# KiCad board Smoothie2Standard.kicad_pcb (continued)
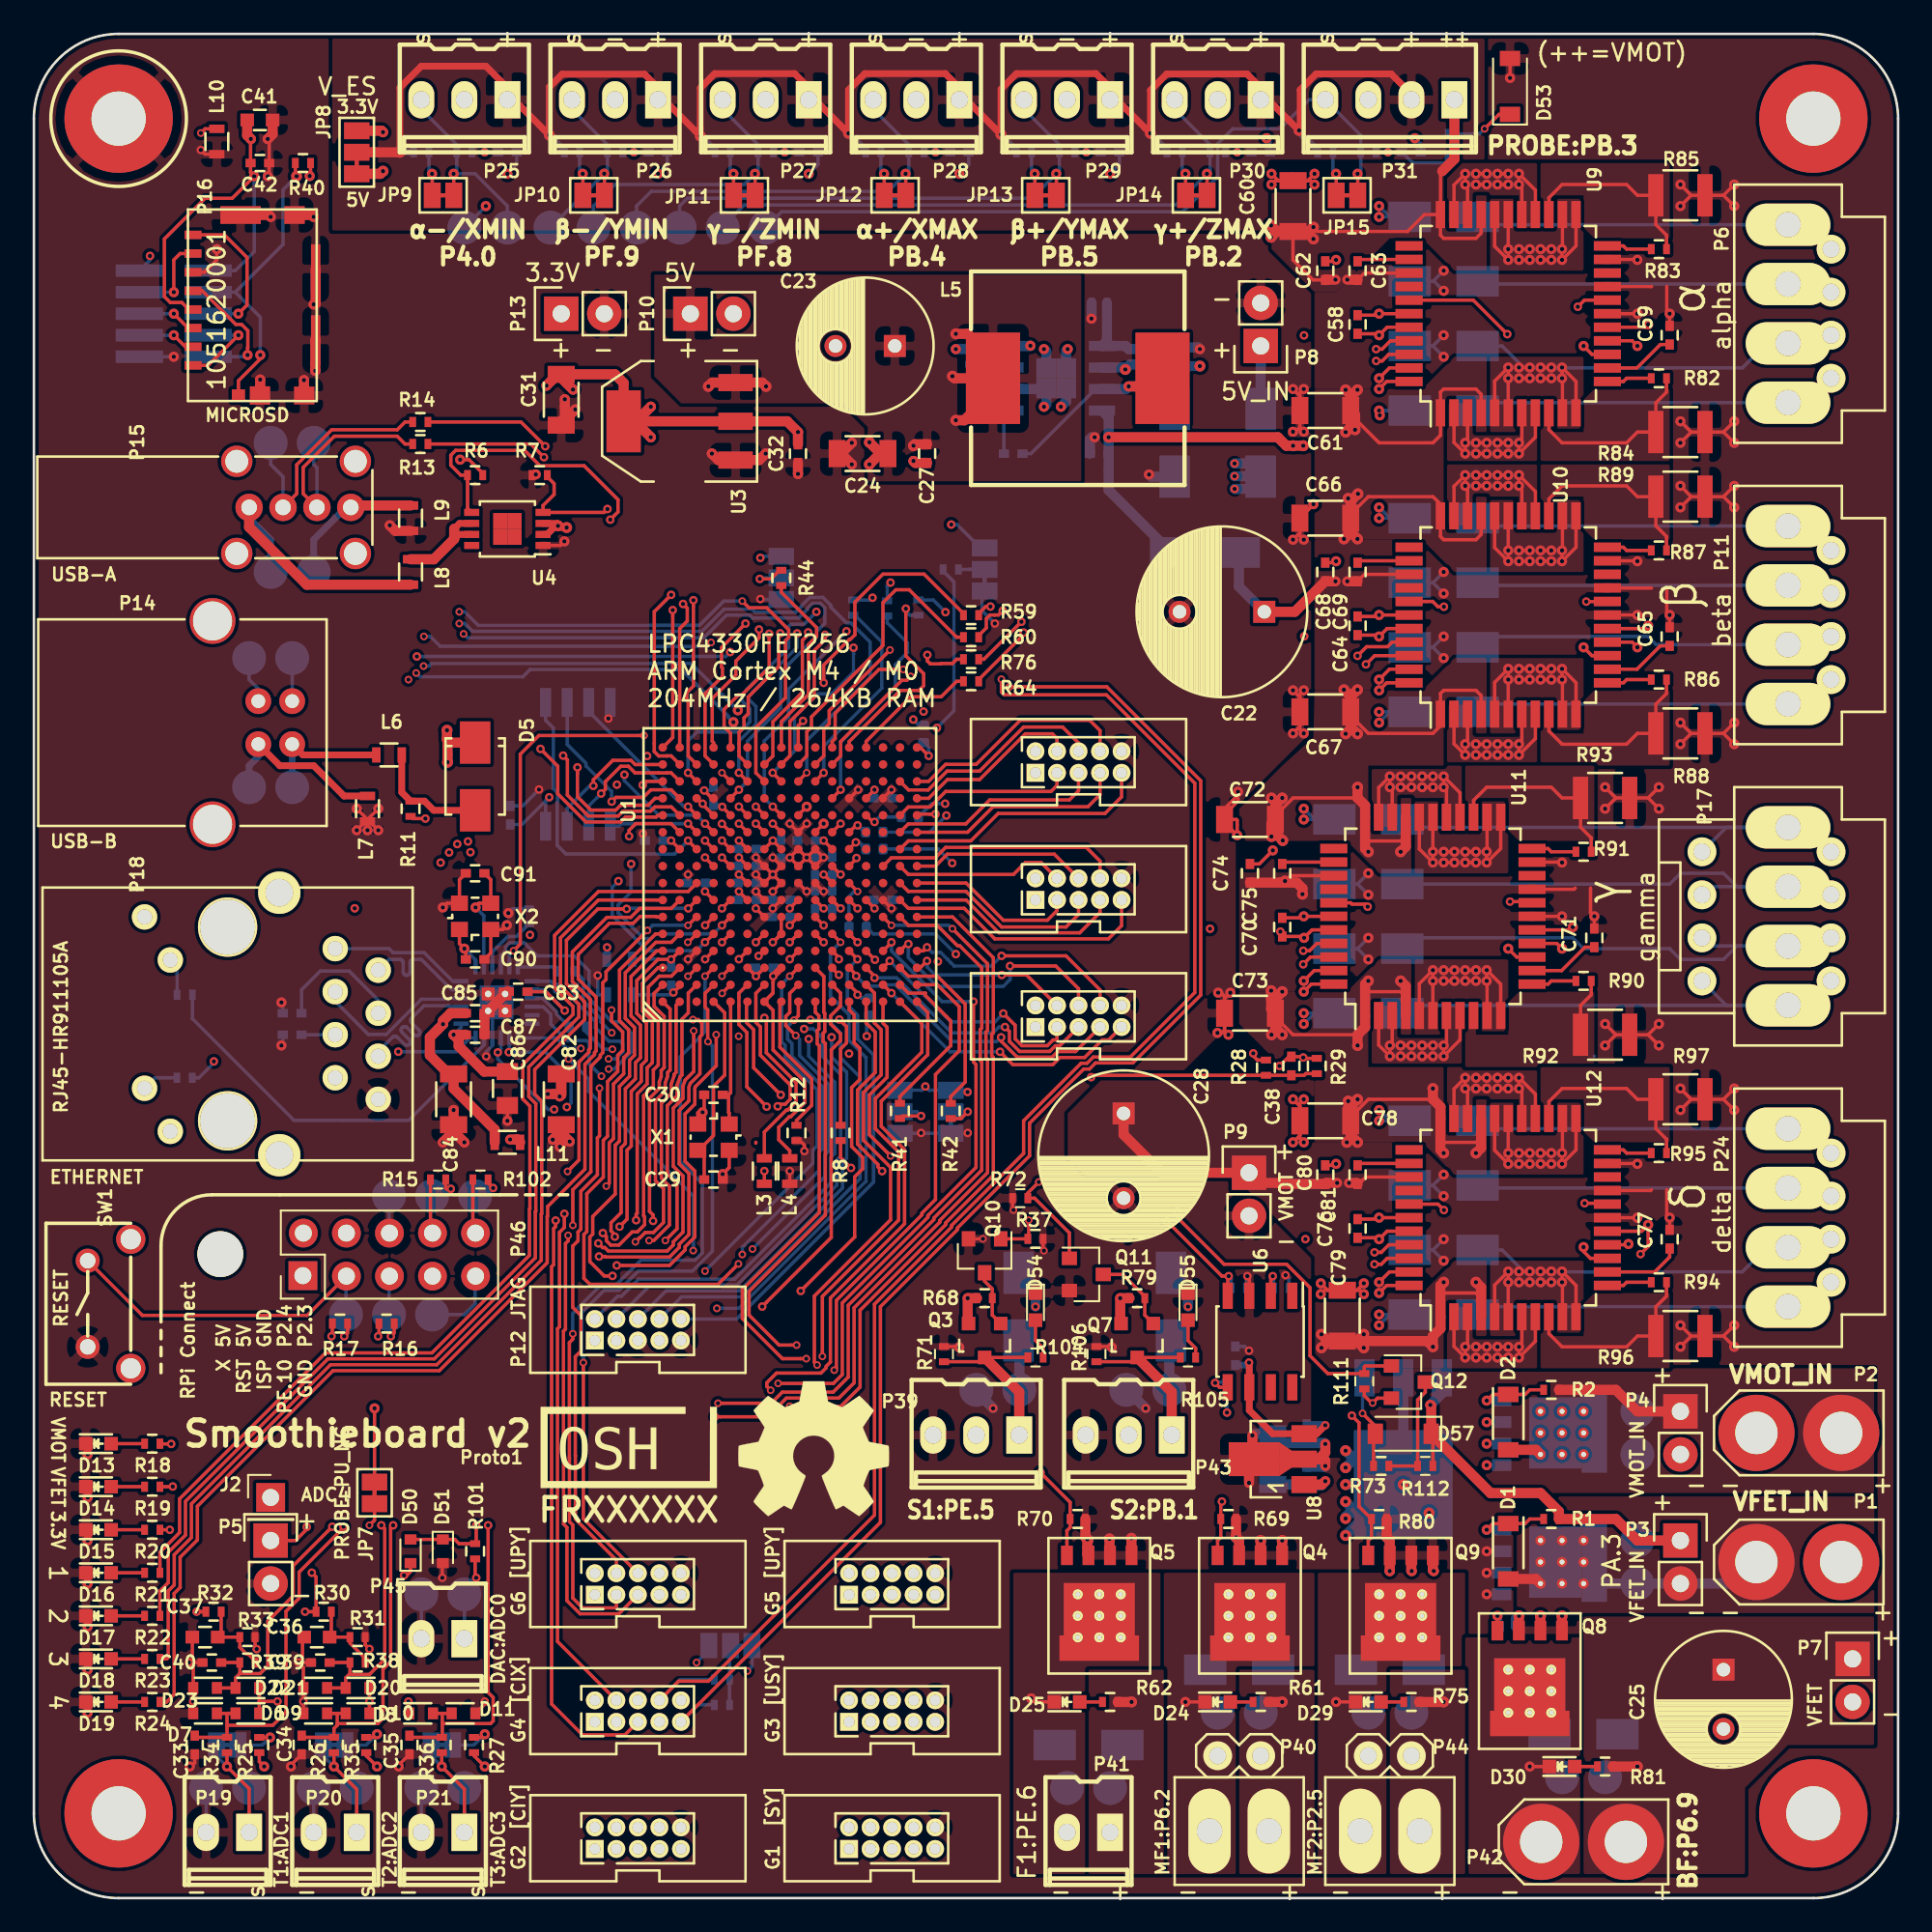
[diagram p0: board, top side]
## Placement (name value [footprint] x y rotation side) (continued)
W45  OSHW_CERT  [OSHW_Dual_0.25_Scale]  35.1 26.9 0 top
W46  OSHW_LOGO  [OSHW-Symbol_13.4x12mm_SilkScreen]  46.6 36.4 180 bottom
W47  T_BED  [TP]  90.17 7.13 0 bottom
W48  T_VBB_BED  [TP]  92.71 7.13 0 bottom
W49  OSHW_CERT  [OSHW_Dual_0.25_Scale]  31.6 87.4 180 bottom
W50  T_SSR2  [TP]  67 29.99 0 bottom
W51  T_GND_SSR2  [TP]  64.46 29.99 0 bottom
W52  T_VFET_HOTEND2  [TP]  81.28 10.94 0 bottom
W53  T_HOTEND2  [TP]  78.74 10.94 0 bottom
W54  T_DAC  [TP]  25.4 17.93 0 bottom
W55  T_GND_DAC  [TP]  22.86 17.93 0 bottom
X1  12MHz  [Crystal_SMD_2520_4Pads]  40.1 44.9 180 top
X2  25MHz  [Crystal_SMD_2520_4Pads]  26.04 57.93 0 top

## Footprints (pads in the part's own frame, mm; a bottom-side part is the same pattern mirrored in y, then rotated)
BGA-256
  round 0.5 smd: A1(-7.501,7.501) A2(-6.5,7.501) A3(-5.499,7.501) A4(-4.501,7.501) A5(-3.5,7.501) A6(-2.499,7.501) A7(-1.501,7.501) A8(-0.5,7.501) A9(0.5,7.501) A10(1.501,7.501) A11(2.499,7.501) A12(3.5,7.501) A13(4.501,7.501) A14(5.499,7.501) A15(6.5,7.501) A16(7.501,7.501) B1(-7.501,6.5) B2(-6.5,6.5) B3(-5.499,6.5) B4(-4.501,6.5) B5(-3.5,6.5) B6(-2.499,6.5) B7(-1.501,6.5) B8(-0.5,6.5) B9(0.5,6.5) B10(1.501,6.5) B11(2.499,6.5) B12(3.5,6.5) B13(4.501,6.5) B14(5.499,6.5) B15(6.5,6.5) B16(7.501,6.5) C1(-7.501,5.499) C2(-6.5,5.499) C3(-5.499,5.499) C4(-4.501,5.499) C5(-3.5,5.499) C6(-2.499,5.499) C7(-1.501,5.499) C8(-0.5,5.499) C9(0.5,5.499) C10(1.501,5.499) C11(2.499,5.499) C12(3.5,5.499) C13(4.501,5.499) C14(5.499,5.499) C15(6.5,5.499) C16(7.501,5.499) D1(-7.501,4.501) D2(-6.5,4.501) D3(-5.499,4.501) D4(-4.501,4.501) D5(-3.5,4.501) D6(-2.499,4.501) D7(-1.501,4.501) D8(-0.5,4.501) D9(0.5,4.501) D10(1.501,4.501) D11(2.499,4.501) D12(3.5,4.501) D13(4.501,4.501) D14(5.499,4.501) D15(6.5,4.501) D16(7.501,4.501) E1(-7.501,3.5) E2(-6.5,3.5) E3(-5.499,3.5) E4(-4.501,3.5) E5(-3.5,3.5) E6(-2.499,3.5) E7(-1.501,3.5) E8(-0.5,3.5) E9(0.5,3.5) E10(1.501,3.5) E11(2.499,3.5) E12(3.5,3.5) E13(4.501,3.5) E14(5.499,3.5) E15(6.5,3.5) E16(7.501,3.5) F1(-7.501,2.499) F2(-6.5,2.499) F3(-5.499,2.499) F4(-4.501,2.499) F5(-3.5,2.499) F6(-2.499,2.499) F7(-1.501,2.499) F8(-0.5,2.499) F9(0.5,2.499) F10(1.501,2.499) F11(2.499,2.499) F12(3.5,2.499) F13(4.501,2.499) F14(5.499,2.499) F15(6.5,2.499) F16(7.501,2.499) G1(-7.501,1.501) G2(-6.5,1.501) G3(-5.499,1.501) G4(-4.501,1.501) G5(-3.5,1.501) G6(-2.499,1.501) G7(-1.501,1.501) G8(-0.5,1.501) G9(0.5,1.501) G10(1.501,1.501) G11(2.499,1.501) G12(3.5,1.501) G13(4.501,1.501) G14(5.499,1.501) G15(6.5,1.501) G16(7.501,1.501) H1(-7.501,0.5) H2(-6.5,0.5) H3(-5.499,0.5) H4(-4.501,0.5) H5(-3.5,0.5) H6(-2.499,0.5) H7(-1.501,0.5) H8(-0.5,0.5) H9(0.5,0.5) H10(1.501,0.5) H11(2.499,0.5) H12(3.5,0.5) H13(4.501,0.5) H14(5.499,0.5) H15(6.5,0.5) H16(7.501,0.5) J1(-7.501,-0.5) J2(-6.5,-0.5) J3(-5.499,-0.5) J4(-4.501,-0.5) J5(-3.5,-0.5) J6(-2.499,-0.5) J7(-1.501,-0.5) J8(-0.5,-0.5) J9(0.5,-0.5) J10(1.501,-0.5) J11(2.499,-0.5) J12(3.5,-0.5) J13(4.501,-0.5) J14(5.499,-0.5) J15(6.5,-0.5) J16(7.501,-0.5) K1(-7.501,-1.501) K2(-6.5,-1.501) K3(-5.499,-1.501) K4(-4.501,-1.501) K5(-3.5,-1.501) K6(-2.499,-1.501) K7(-1.501,-1.501) K8(-0.5,-1.501) K9(0.5,-1.501) K10(1.501,-1.501) K11(2.499,-1.501) K12(3.5,-1.501) K13(4.501,-1.501) K14(5.499,-1.501) K15(6.5,-1.501) K16(7.501,-1.501) L1(-7.501,-2.499) L2(-6.5,-2.499) L3(-5.499,-2.499) L4(-4.501,-2.499) L5(-3.5,-2.499) L6(-2.499,-2.499) L7(-1.501,-2.499) L8(-0.5,-2.499) L9(0.5,-2.499) L10(1.501,-2.499) L11(2.499,-2.499) L12(3.5,-2.499) L13(4.501,-2.499) L14(5.499,-2.499) L15(6.5,-2.499) L16(7.501,-2.499) M1(-7.501,-3.5) M2(-6.5,-3.5) M3(-5.499,-3.5) M4(-4.501,-3.5) M5(-3.5,-3.5) M6(-2.499,-3.5) M7(-1.501,-3.5) M8(-0.5,-3.5) M9(0.5,-3.5) M10(1.501,-3.5) M11(2.499,-3.5) M12(3.5,-3.5) M13(4.501,-3.5) M14(5.499,-3.5) M15(6.5,-3.5) M16(7.501,-3.5) N1(-7.501,-4.501) N2(-6.5,-4.501) N3(-5.499,-4.501) N4(-4.501,-4.501) N5(-3.5,-4.501) N6(-2.499,-4.501) N7(-1.501,-4.501) N8(-0.5,-4.501) N9(0.5,-4.501) N10(1.501,-4.501) N11(2.499,-4.501) N12(3.5,-4.501) N13(4.501,-4.501) N14(5.499,-4.501) N15(6.5,-4.501) N16(7.501,-4.501) P1(-7.501,-5.499) P2(-6.5,-5.499) P3(-5.499,-5.499) P4(-4.501,-5.499) P5(-3.5,-5.499) P6(-2.499,-5.499) P7(-1.501,-5.499) P8(-0.5,-5.499) P9(0.5,-5.499) P10(1.501,-5.499) P11(2.499,-5.499) P12(3.5,-5.499) P13(4.501,-5.499) P14(5.499,-5.499) P15(6.5,-5.499) P16(7.501,-5.499) R1(-7.501,-6.5) R2(-6.5,-6.5) R3(-5.499,-6.5) R4(-4.501,-6.5) R5(-3.5,-6.5) R6(-2.499,-6.5) R7(-1.501,-6.5) R8(-0.5,-6.5) R9(0.5,-6.5) R10(1.501,-6.5) R11(2.499,-6.5) R12(3.5,-6.5) R13(4.501,-6.5) R14(5.499,-6.5) R15(6.5,-6.5) R16(7.501,-6.5) T1(-7.501,-7.501) T2(-6.5,-7.501) T3(-5.499,-7.501) T4(-4.501,-7.501) T5(-3.5,-7.501) T6(-2.499,-7.501) T7(-1.501,-7.501) T8(-0.5,-7.501) T9(0.5,-7.501) T10(1.501,-7.501) T11(2.499,-7.501) T12(3.5,-7.501) T13(4.501,-7.501) T14(5.499,-7.501) T15(6.5,-7.501) T16(7.501,-7.501)
C_0402
  rect 0.6x0.5 smd: 1(-0.55,0) 2(0.55,0)
C_0603
  rect 0.8x0.75 smd: 1(-0.75,0) 2(0.75,0)
C_0805
  rect 1x1.25 smd: 1(-1,0) 2(1,0)
C_1206
  rect 1x1.6 smd: 1(-1.5,0) 2(1.5,0)
C_Radial_D8_L11.5_P3.5
  rect 1.3x1.3 hole 0.8: 1(0,0)
  round 1.3 hole 0.8: 2(3.5,0)
C_Radial_D10_L16_P5
  rect 1.3x1.3 hole 0.8: 1(0,0)
  round 1.3 hole 0.8: 2(5,0)
CONN_MOTOR
  oval 2.5x5 hole 1.5: 1(-5.25,2.54) 2(-1.75,2.54) 3(1.75,2.54) 4(5.25,2.54)
  round 1.7 hole 1: 1(-3.81,0) 2(-1.27,0) 3(1.27,0) 4(3.81,0)
CONN_MOTOR2
  oval 2.5x5 hole 1.5: 1(-5.25,2.54) 2(-1.75,2.54) 3(1.75,2.54) 4(5.25,2.54)
  round 1.7 hole 1: 1(-3.81,7.62) 1(-3.81,0) 2(-1.27,7.62) 2(-1.27,0) 3(1.27,7.62) 3(1.27,0) 4(3.81,7.62) 4(3.81,0)
CONN_SFET
  oval 2.5x5 hole 1.5: 1(-1.75,4.445) 2(1.75,4.445)
  round 1.7 hole 1: 1(-1.27,0) 2(1.27,0)
Crystal_SMD_2520_4Pads
  rect 1x0.9 smd: 1(-0.925,-0.775) 2(0.925,0.775) 3(-0.925,0.775) 3(0.925,-0.775)
D_SOD-123
  rect 0.9x1.2 smd: 1(-1.65,0) 2(1.65,0)
D_SOD-523
  rect 0.6x0.7 smd: 1(-0.7,0) 2(0.7,0)
ftsh-105-01-l-dv
  rect 0.74x2.79 smd: 1(-2.54,-2.032) 2(-2.54,2.032) 3(-1.27,-2.032) 4(-1.27,2.032) 5(0,-2.032) 6(0,2.032) 7(1.27,-2.032) 8(1.27,2.032) 9(2.54,-2.032) 10(2.54,2.032)
Inductor_12.5x12.5mm_SRR1280
  rect 3.2x5.4 smd: 1(-5.001,0) 2(5.001,0)
kk100_22-23-2021
  rect 1.524x2.197 hole 1.016: 1(-1.27,0.076)
  oval 1.524x2.197 hole 1.016: 2(1.27,0.076)
kk100_22-23-2031
  rect 1.524x2.197 hole 1.016: 1(-2.54,0.076)
  oval 1.524x2.197 hole 1.016: 2(0,0.076) 3(2.54,0.076)
kk100_22-23-2041
  rect 1.524x2.197 hole 1.016: 1(-3.81,0.076)
  oval 1.524x2.197 hole 1.016: 2(-1.27,0.076) 3(1.27,0.076) 4(3.81,0.076)
LED_0603
  rect 0.798x0.798 smd: 1(-0.749,0) 2(0.749,0)
LED_0603#2
  rect 0.8x0.8 smd: 1(-0.8,0) 2(0.8,0)
LQFP-44_10x10mm_Pitch0.8mm
  rect 1.6x0.56 smd: 1(-5.85,4) 2(-5.85,3.2) 3(-5.85,2.4) 4(-5.85,1.6) 5(-5.85,0.8) 6(-5.85,0) 7(-5.85,-0.8) 8(-5.85,-1.6) 9(-5.85,-2.4) 10(-5.85,-3.2) 11(-5.85,-4) 23(5.85,-4) 24(5.85,-3.2) 25(5.85,-2.4) 26(5.85,-1.6) 27(5.85,-0.8) 28(5.85,0) 29(5.85,0.8) 30(5.85,1.6) 31(5.85,2.4) 32(5.85,3.2) 33(5.85,4)
  rect 0.56x1.6 smd: 12(-4,-5.85) 13(-3.2,-5.85) 14(-2.4,-5.85) 15(-1.6,-5.85) 16(-0.8,-5.85) 17(0,-5.85) 18(0.8,-5.85) 19(1.6,-5.85) 20(2.4,-5.85) 21(3.2,-5.85) 22(4,-5.85) 34(4,5.85) 35(3.2,5.85) 36(2.4,5.85) 37(1.6,5.85) 38(0.8,5.85) 39(0,5.85) 40(-0.8,5.85) 41(-1.6,5.85) 42(-2.4,5.85) 43(-3.2,5.85) 44(-4,5.85)
MICROSD-1051620001
  rect 0.5x1 smd: 1(9.4,0.5) 2(8.3,0.5) 3(7.2,0.5) 4(6.1,0.5) 5(5,0.5) 6(3.9,0.5) 7(2.8,0.5) 8(1.7,0.5)
  rect 0.72x0.78 smd: 9(11.175,3.18)
  rect 1.08x1.2 smd: G1(11.175,4.45)
  rect 1.05x1.2 smd: G2(11.175,7.06) G3(0.525,6.49)
  rect 1.05x2.39 smd: G4(0.525,3.305)
  rect 2.91x0.55 smd: G5(7.895,7.735) G6(3.705,7.735)
MountingHole_2.7mm_M2.5
  round 2.7 hole 2.7 unplated: (0,0)
MountingHole_3.2mm_M3_Pad
  round 6.4 hole 3.2: 1(0,0)
MSOP-8-1EP_3x3mm_Pitch0.65mm
  rect 0.89x0.42 smd: 1(-2.105,0.975) 2(-2.105,0.325) 3(-2.105,-0.325) 4(-2.105,-0.975) 5(2.105,-0.975) 6(2.105,-0.325) 7(2.105,0.325) 8(2.105,0.975)
  rect 0.84x0.94 smd: 9(-0.42,0.47) 9(-0.42,-0.47) 9(0.42,0.47) 9(0.42,-0.47)
Pin_Header_Straight_1x01_Pitch2.54mm
  rect 1.7x1.7 hole 1: 1(0,0)
Pin_Header_Straight_1x02
  rect 2.032x2.032 hole 1.016: 1(0,0)
  oval 2.032x2.032 hole 1.016: 2(0,-2.54)
Pin_Header_Straight_2x05_Pitch1.27mm_Shrouded
  rect 1.05x1.05 hole 0.65: 1(0,0)
  round 1.05 hole 0.65: 2(1.27,0) 3(0,-1.27) 4(1.27,-1.27) 5(0,-2.54) 6(1.27,-2.54) 7(0,-3.81) 8(1.27,-3.81) 9(0,-5.08) 10(1.27,-5.08)
Pin_Header_Straight_2x05_Pitch2.54mm
  rect 1.7x1.7 hole 1: 1(0.03,0.03)
  oval 1.7x1.7 hole 1: 2(2.54,0) 3(0,-2.54) 4(2.54,-2.54) 5(0,-5.08) 6(2.54,-5.08) 7(0,-7.62) 8(2.54,-7.62) 9(0,-10.16) 10(2.54,-10.16)
QFN24_4x4mm_0.5mmPitch
  rect 0.889x0.254 smd: 1(-2.095,1.252) 2(-2.095,0.752) 3(-2.095,0.251) 4(-2.095,-0.249) 5(-2.095,-0.749) 6(-2.095,-1.25) 13(2.095,-1.252) 14(2.095,-0.752) 15(2.095,-0.251) 16(2.095,0.249) 17(2.095,0.749) 18(2.095,1.25)
  rect 0.254x0.889 smd: 7(-1.252,-2.095) 8(-0.752,-2.095) 9(-0.251,-2.095) 10(0.249,-2.095) 11(0.749,-2.095) 12(1.25,-2.095) 19(1.252,2.095) 20(0.752,2.095) 21(0.251,2.095) 22(-0.249,2.095) 23(-0.749,2.095) 24(-1.25,2.095)
  rect 0.762x0.762 hole 0.381: 25(-0.5,-0.5) 25(-0.5,0.5) 25(0.5,-0.5) 25(0.5,0.5)
  rect 1.999x1.999 smd: 25(0,0)
R_0402
  rect 0.4x0.6 smd: 1(-0.45,0) 2(0.45,0)
R_0402_1005Metric
  rrect 0.54x0.64 smd: 1(-0.51,0) 2(0.51,0)
R_0603
  rect 0.5x0.9 smd: 1(-0.75,0) 2(0.75,0)
R_1210
  rect 0.9x2.5 smd: 1(-1.45,0) 2(1.45,0)
RJ45-J00-0065NL
  round 3.5 hole 3.25 unplated: (-5.715,0) (5.715,0)
  round 1.5 hole 0.89: 1(4.445,-6.35) 2(3.175,-8.89) 3(1.905,-6.35) 4(0.635,-8.89) 5(-0.635,-6.35) 6(-1.905,-8.89) 7(-3.175,-6.35) 8(-4.445,-8.89) 9(6.315,4.9) 10(3.775,3.38) 11(-3.795,4.9) 12(-6.335,3.38)
  round 2.5 hole 1.63: 13(-7.745,-3.05) 13(7.745,-3.05)
SJ2-NC
  rect 1x1.5 smd: 1(-0.645,0) 2(0.625,0)
SJ3-12
  rect 1x1.5 smd: 1(-1.27,0) 2(0,0) 3(1.27,0)
SJ3-23
  rect 1x1.5 smd: 1(-1.27,0) 2(0,0) 3(1.27,0)
SMA_Standard
  rect 2.499x1.801 smd: 1(-1.999,0) 2(1.999,0)
SOD-123
  rect 0.91x1.22 smd: 1(-1.635,0) 2(1.635,0)
SOD-523
  rect 0.6x0.7 smd: 1(-0.7,0) 2(0.7,0)
SOIC-8-1EP_3.9x4.9mm_Pitch1.27mm
  rect 1.55x0.6 smd: 1(-2.7,1.905) 2(-2.7,0.635) 3(-2.7,-0.635) 4(-2.7,-1.905) 5(2.7,-1.905) 6(2.7,-0.635) 7(2.7,0.635) 8(2.7,1.905)
  rect 1.175x1.175 smd: 9(-0.588,-0.588) 9(-0.588,0.588) 9(0.588,-0.588) 9(0.588,0.588)
SOIC-8_3.9x4.9mm_Pitch1.27mm
  rect 1.55x0.6 smd: 1(-2.7,1.905) 2(-2.7,0.635) 3(-2.7,-0.635) 4(-2.7,-1.905) 5(2.7,-1.905) 6(2.7,-0.635) 7(2.7,0.635) 8(2.7,1.905)
SOIJ-8_5.3x5.3mm_Pitch1.27mm
  rect 1.7x0.65 smd: 1(-3.65,1.905) 2(-3.65,0.635) 3(-3.65,-0.635) 4(-3.65,-1.905) 5(3.65,-1.905) 6(3.65,-0.635) 7(3.65,0.635) 8(3.65,1.905)
SOT89-3_Housing
  rect 1.001x1.501 smd: 1(-1.501,-1.852) 2(0,-1.852) 3(1.501,-1.852)
  rect 1.999x3 smd: 2(0,1.1)
  trapezoid 1.501x0.749 smd: 2(0,-0.749)
SOT669-LFPAK
  rect 0.7x1.15 smd: 1(-1.9,-2.935) 2(-0.63,-2.935) 3(0.64,-2.935) 4(1.91,-2.935)
  round 0.6 hole 0.3: 5(-1.27,1.905) 5(-1.27,0.635) 5(-1.27,-0.635) 5(0,1.905) 5(0,0.635) 5(0,-0.635) 5(1.27,1.905) 5(1.27,0.635) 5(1.27,-0.635)
  rect 4.7x1.5 smd: 5(0,2.54)
  rect 4.2x3.1 smd: 5(0,0.24)
SOT-23
  rect 0.8x0.8 smd: 1(-0.95,-1.001) 2(0.95,-1.001) 3(0,0.998)
SOT-23#2
  rect 0.9x0.8 smd: 1(-1,0.95) 2(-1,-0.95) 3(1,0)
SOT-223
  rect 1.016x2.032 smd: 1(-2.286,-3.302) 2(0,-3.302) 3(2.286,-3.302)
  rect 3.658x2.032 smd: 4(0,3.302)
Switch_KSx0V_RA_Pushbutton
  round 1.727 hole 1.199: 0(-3.81,0) 0(3.81,0)
  round 1.422 hole 0.914: 1(-2.54,-2.54) 2(2.54,-2.54)
TO-252-3_TabPin2
  rect 2.2x1.2 smd: 1(-4.2,2.28) 2(-4.2,0) 3(-4.2,-2.28)
  rect 3.05x2.75 smd: 2(0.425,-1.525) 2(0.425,1.525) 2(3.775,-1.525) 2(3.775,1.525)
  rect 6.4x5.8 smd: 2(2.1,0)
TP
  round 2 smd: 1(0,0)
USB_A_Vertical
  round 1.62 hole 0.92: 1(0,0) 2(0,-2) 3(0,-4) 4(0,-6)
  round 1.85 hole 1.35: 5(-2.72,0.73) 5(-2.72,-6.27) 5(2.72,0.73) 5(2.72,-6.27)
USB_B
  round 1.524 hole 0.813: 1(0,0) 2(0,-2.54) 3(1.999,-2.54) 4(1.999,0)
  round 2.7 hole 2.301: 5(4.699,4.729) 5(4.699,-7.269)
XT30
  round 4.5 hole 2.5: 1(2.5,0) 2(-2.5,0)

## Nets
3.3V: C1.1 C2.1 C3.1 C4.1 C5.1 C6.1 C7.1 C8.1 C9.1 C11.1 C12.1 C13.1 C15.1 C17.1 C18.1 C19.1 C20.1 C31.1 C32.1 C41.1 C42.1 C50.1 C58.1 C64.1 C70.1 C76.1 C82.1 C83.1 G1.1 G2.1 G3.1 G4.1 G5.1 G6.1 G7.1 G8.1 G9.1 JP1.3 JP5.1 JP6.1 JP7.1 JP8.3 JP16.1 JP17.1 L1.1 L3.1 L11.1 P12.1 P13.1 P16.4 P18.9 P18.12 P23.1 R6.1 R8.1 R16.1 R17.1 R20.1 R28.1 R40.2 U1.B10 U1.D7 U1.E12 U1.F7 U1.F8 U1.F9 U1.F10 U1.G10 U1.H10 U1.J6 U1.J7 U1.K7 U1.L7 U1.L8 U1.L9 U1.L10 U1.N7 U1.N13 U3.2 U3.4 U5.8 U9.40 U10.40 U11.40 U12.40 U13.14
3.3VA: C10.1 L1.2 P5.1 R25.1 R26.1 R27.1 U1.B4
3.3VU0: C16.1 L3.2 U1.F3 U1.G3
5V: C21.1 C23.1 C24.1 C27.1 D3.1 D5.1 G1.2 G2.2 G3.2 G4.2 G5.2 G6.2 G7.2 G8.2 G9.2 JP1.1 JP8.1 L5.2 P10.1 P23.2 P39.2 P43.2 P46.2 P46.4 Q3.2 Q7.2 R4.2 R68.1 R79.1 U2.6 U3.3 U4.2 U4.3
5V_IN: D3.2 P8.1
5VU1: L8.1 U4.6 U4.7
12V: C51.1 C57.1 U6.6 U8.3
/3.3V_LED_R: D15.2 R20.2
/5VREG_BOOT: C14.2 U2.1
/5VREG_FB: R4.1 R5.1 U2.5
/5VREG_LX: C14.1 D4.1 L5.1 U2.7
/5VREG_TSET: R3.1 U2.3
/5VREG_VIN: C26.1 D56.1 U2.8
/5VU0: D5.2 L6.1 R11.1
/5VU0_CONN: L6.2 P14.1 W9.1
/5VU1_CONN: L8.2 P15.1 W11.1
/ETHERNET/1.2VE: C86.1 C87.1 U13.1
/ETHERNET/3.3VE: C84.1 C85.1 L11.2 U13.2
/GNDU0_CONN: L7.2 P14.4 W10.1
/GNDU1_CONN: L9.2 P15.4 W12.1
/MOTOR0/5VOUT: C59.1 U9.13
/MOTOR1/5VOUT: C65.1 U10.13
/MOTOR2/5VOUT: C71.1 U11.13
/MOTOR3/5VOUT: C77.1 U12.13
GND: C1.2 C2.2 C3.2 C4.2 C5.2 C6.2 C7.2 C8.2 C9.2 C11.2 C12.2 C13.2 C15.2 C17.2 C18.2 C19.2 C20.2 C21.2 C22.2 C23.2 C24.2 C25.2 C26.2 C27.2 C28.2 C29.1 C30.1 C31.2 C32.2 C33.2 C34.2 C35.2 C36.2 C37.2 C38.2 C39.2 C40.2 C41.2 C42.2 C43.2 C44.2 C45.2 C46.2 C47.2 C48.2 C49.2 C50.2 C51.2 C55.2 C56.2 C57.2 C58.2 C59.2 C60.2 C61.2 C62.2 C64.2 C65.2 C66.2 C67.2 C68.2 C70.2 C71.2 C72.2 C73.2 C74.2 C76.2 C77.2 C78.2 C79.2 C80.2 C82.2 C83.2 C84.2 C85.2 C86.2 C87.2 C88.2 C89.2 C90.2 C91.2 D4.2 D7.2 D9.2 D11.2 D13.1 D14.1 D15.1 D16.1 D17.1 D18.1 D19.1 D21.2 D23.2 D28.2 D33.2 D34.2 D35.2 D36.2 D37.2 D38.2 D39.2 D40.2 D41.2 D42.2 D43.2 D44.2 D45.2 D46.2 D47.2 D48.2 D49.2 D51.2 D53.2 D54.1 D55.1 G1.10 G2.10 G3.10 G4.10 G5.10 G6.10 G7.10 G8.10 G9.10 JP5.3 JP6.3 JP16.3 JP17.3 L2.1 L4.1 L7.1 L9.1 L10.1 P5.2 P7.2 P8.2 P9.2 P10.2 P12.3 P12.5 P12.9 P13.2 P16.6 P16.G1 P16.G2 P16.G3 P16.G4 P16.G5 P16.G6 P18.8 P19.2 P20.2 P21.2 P23.10 P25.2 P26.2 P27.2 P28.2 P29.2 P30.2 P31.3 P39.3 P43.3 P45.2 P46.6 P46.9 Q1.1 Q1.2 Q1.3 Q2.1 Q2.2 Q2.3 Q4.1 Q4.2 Q4.3 Q5.1 Q5.2 Q5.3 Q8.1 Q8.2 Q8.3 Q9.1 Q9.2 Q9.3 Q10.2 Q11.2 Q12.2 R3.2 R5.2 R7.1 R12.1 R29.1 R31.1 R33.1 R37.1 R63.2 R67.2 R69.1 R70.1 R71.1 R72.1 R78.1 R80.1 R84.2 R85.2 R88.2 R89.2 R92.2 R93.2 R96.2 R97.2 R98.1 R106.1 R111.1 SW1.2 U1.C4 U1.D13 U1.G6 U1.G7 U1.G8 U1.G9 U1.H7 U1.H8 U1.H9 U1.J8 U1.J9 U1.J10 U1.J11 U1.K8 U1.K9 U1.K10 U1.M13 U1.P7 U1.P13 U2.2 U2.4 U2.9 U3.1 U4.1 U5.4 U6.3 U8.2 U9.17 U9.19 U9.21 U9.39 U9.43 U9.44 U10.17 U10.19 U10.21 U10.39 U10.43 U10.44 U11.17 U11.19 U11.21 U11.39 U11.43 U11.44 U12.17 U12.19 U12.21 U12.39 U12.43 U12.44 U13.22 U13.25 W16.1 W22.1 W23.1 W24.1 W25.1 W33.1 W35.1 W40.1 W51.1 W55.1 X1.3 X2.3
GND_VBB_IN: D2.2 P2.2 P4.2 Q2.5 W4.1
GND_VFET_IN: D1.2 P1.2 P3.2 Q1.5 W2.1
GNDA: C10.2 L2.2 U1.B2
GNDS: L10.2 P14.5 P15.5 P18.13 W42.1 W43.1 W44.1
GNDU: C16.2 L4.2 U1.G1 U1.H3
/BED1_DRAIN: D30.1 D32.2 P42.2 Q8.5 W47.1
/BED1_DRV: R74.1 U6.5
/BED1_GATE: Q8.4 R74.2 R78.2
/BED1_LEDR: D30.2 R81.1
/BED1_PRE: R60.2 R67.1 U6.4
/BED2_NC: R63.1 U6.2
/BOOT0: R41.1 U1.R2
/BOOT1: R42.1 U1.R3
/BOOT2: R43.1 U1.J16
/BOOT3: R44.1 U1.H16
/DAC_CONN: P45.1 R101.2 W54.1
/ETH_CRS: R109.1 U1.M7
/ETH_MDC: R113.1 U1.T16
/ETH_MDIO: R103.1 U1.M8
/ETH_REF_CLK: R114.1 U1.M11
/ETH_RXD0: R108.1 U1.T12
/ETH_RXD1: R107.1 U1.L3
/ETH_TXD0: R116.1 U1.N12
/ETH_TXD1: R117.1 U1.M10
/ETH_TXEN: R115.1 U1.M2
/ETHERNET/INTRP: U13.18
/ETHERNET/LED0: R99.1 U13.23
/ETHERNET/LED0_CONN: P18.10 R99.2
/ETHERNET/LED1_CONN: P18.11 R100.2
/ETHERNET/MDC: R113.2 U13.11
/ETHERNET/MDIO: R103.2 U13.10
/ETHERNET/REF_CLK: R114.2 U13.16
/ETHERNET/REXT: R98.2 U13.9
/ETHERNET/RX+: P18.3 U13.4
/ETHERNET/RX-: P18.6 U13.3
/ETHERNET/RXC: C89.1 P18.5
/ETHERNET/RXER: U13.17
/ETHERNET/TX+: P18.1 U13.6
/ETHERNET/TX-: P18.2 U13.5
/ETHERNET/TXC: C88.1 P18.4
/ETHERNET/TXD0: R116.2 U13.20
/ETHERNET/TXD1: R117.2 U13.21
/ETHERNET/TXEN: R115.2 U13.19
/ETHERNET/XI: C91.1 U13.8 X2.2
/ETHERNET/XO: C90.1 U13.7 X2.1
/FAN_D: D25.1 D27.2 P41.2 Q5.5 W39.1
/FAN_G: Q5.4 R66.2 R70.2
/FAN_LED_R: D25.2 R62.2
/HOTEND1_D: D24.1 D26.2 P40.2 Q4.5 W37.1
/HOTEND1_G: Q4.4 R65.2 R69.2
/HOTEND1_LED_R: D24.2 R61.2
/HOTEND2_D: D29.1 D31.2 P44.2 Q9.5 W53.1
/HOTEND2_G: Q9.4 R77.2 R80.2
/HOTEND2_LED_R: D29.2 R75.2
/I2C0_VIO: JP1.2 R9.1 R10.1
/JTAG_KEY: P12.7
/LED1_R: D16.2 R21.2
/LED2_R: D17.2 R22.2
/LED3_R: D18.2 R23.2
/LED4_R: D19.2 R24.2
/M0_OA1: D34.1 P6.1 U9.2 U9.3 U9.7 U9.8
/M0_OA2: D35.1 P6.2 U9.5 U9.6 U9.10 U9.11
/M0_OB1: D37.1 P6.4 U9.26 U9.27 U9.31 U9.32
/M0_OB2: D36.1 P6.3 U9.23 U9.24 U9.28 U9.29
/M1_OA1: D38.1 P11.1 U10.2 U10.3 U10.7 U10.8
/M1_OA2: D39.1 P11.2 U10.5 U10.6 U10.10 U10.11
/M1_OB1: D41.1 P11.4 U10.26 U10.27 U10.31 U10.32
/M1_OB2: D40.1 P11.3 U10.23 U10.24 U10.28 U10.29
/M2_OA1: D42.1 P17.1 U11.2 U11.3 U11.7 U11.8
/M2_OA2: D43.1 P17.2 U11.5 U11.6 U11.10 U11.11
/M2_OB1: D45.1 P17.4 U11.26 U11.27 U11.31 U11.32
/M2_OB2: D44.1 P17.3 U11.23 U11.24 U11.28 U11.29
/M3_OA1: D46.1 P24.1 U12.2 U12.3 U12.7 U12.8
/M3_OA2: D47.1 P24.2 U12.5 U12.6 U12.10 U12.11
/M3_OB1: D49.1 P24.4 U12.26 U12.27 U12.31 U12.32
/M3_OB2: D48.1 P24.3 U12.23 U12.24 U12.28 U12.29
/MCU_ADC0: D50.2 D51.1 R101.1 U1.E3
/MCU_ADC1: C33.1 D6.2 D7.1 R34.1 U1.C3
/MCU_ADC2: C34.1 D8.2 D9.1 R35.1 U1.A4
/MCU_ADC3: C35.1 D10.2 D11.1 R36.1 U1.B5
/MCU_ADC4: J2.1 U1.C6
/MCU_ADC5: C40.1 D22.2 D23.1 R39.2 U1.B3
/MCU_ADC6: C38.1 R28.2 R29.2 U1.A5
/MCU_ADC7: C39.1 D20.2 D21.1 R38.2 U1.C5
/MCU_BOOT0_SEL: JP6.2 R41.2
/MCU_BOOT1_SEL: JP17.2 R42.2
/MCU_BOOT2_SEL: JP5.2 R43.2
/MCU_BOOT3_SEL: JP16.2 R44.2
/MCU_DBGEN: R8.2 U1.L4
/MCU_G0_4: G7.9 U1.P2
/MCU_G0_5: U1.L14
/MCU_G0_9: U1.P5
/MCU_G0_11: G7.4 U1.T3
/MCU_G0_14: U1.G16
/MCU_G1_0: U1.T5
/MCU_G1_1: G8.9 U1.R7
/MCU_G1_2: G8.7 U1.T7
/MCU_G1_3: G8.5 U1.R8
/MCU_G1_4: G8.6 U1.T9
/MCU_G1_5: G8.4 U1.R9
/MCU_G1_6: G9.9 U1.R10
/MCU_G1_7: G9.5 U1.R11
/MCU_G1_8: U1.R5
/MCU_G1_9: G7.8 U1.T4
/MCU_G1_11: U1.F16
/MCU_G1_12: U1.E15
/MCU_G1_13: U1.C16
/MCU_G2_0: C43.1 R45.1 U1.D5
/MCU_G2_1: G6.8 U1.A1
/MCU_G2_2: G6.3 U1.D3
/MCU_G2_3: G6.7 U1.C2
/MCU_G2_4: G6.9 U1.B1
/MCU_G2_5: G6.6 U1.D2
/MCU_G2_6: U1.C1
/MCU_G2_7: G9.3 U1.R12
/MCU_G2_8: U1.G15 U12.18
/MCU_G2_9: G7.5 U1.N3
/MCU_G2_10: G7.3 U1.P3
/MCU_G2_11: G7.6 U1.R4
/MCU_G2_12: G8.3 U1.T8
/MCU_G2_13: G8.8 U1.P9
/MCU_G2_14: U1.P10
/MCU_G2_15: G9.4 U1.T13
/MCU_G3_0: U1.R15
/MCU_G3_1: R65.1 U1.L13
/MCU_G3_2: U1.P15
/MCU_G3_3: U1.R16
/MCU_G3_4: U1.P16
/MCU_G3_5: R60.1 U1.J15
/MCU_G3_6: U1.H15 U12.41
/MCU_G3_7: U1.H12 U12.42
/MCU_G3_8: U1.B16 U9.18
/MCU_G3_9: U1.C14 U11.41
/MCU_G3_10: U1.A16 U9.38 U10.38 U11.38 U12.38
/MCU_G3_11: G1.9 U1.C13 U1.D12 U9.16 U10.16 U11.16 U12.16
/MCU_G3_12: R21.1 U1.C8
/MCU_G3_13: R22.1 U1.A7
/MCU_G3_14: R23.1 U1.C7
/MCU_G3_15: U1.B6
/MCU_G4_0: R100.1 U1.E5
/MCU_G4_1: P16.1 P23.7 U1.H5 U1.H6
/MCU_G4_2: U1.K4
/MCU_G4_3: G2.6 U1.J3
/MCU_G4_4: G2.3 U1.J2
/MCU_G4_5: G2.7 U1.J1
/MCU_G4_6: G5.3 U1.K3
/MCU_G4_7: G5.6 U1.K1
/MCU_G4_8: G6.4 U1.J14
/MCU_G4_9: G6.5 U1.K15
/MCU_G4_10: R59.1 U1.H11
/MCU_G4_11: R6.2 U1.L11 U4.5
/MCU_G4_12: G1.5 U1.T1
/MCU_G4_13: U1.N6
/MCU_G4_14: U1.N8
/MCU_G4_15: U1.M6
/MCU_G5_1: U1.N15
/MCU_G5_2: U1.M15
/MCU_G5_3: R102.1 U1.J12 W21.1
/MCU_G5_4: R15.1 U1.K11 W20.1
/MCU_G5_5: R77.1 U1.K14
/MCU_G5_6: U1.K16
/MCU_G5_8: G4.5 U1.G11
/MCU_G5_9: G4.4 U1.F11
/MCU_G5_12: G2.4 U1.E2
/MCU_G5_13: G2.5 U1.L2
/MCU_G5_14: G7.7 U1.M3
/MCU_G5_15: U1.J13
/MCU_G5_16: U1.H13
/MCU_G5_17: U1.N10
/MCU_G5_18: R7.2 U1.M9 U4.4
/MCU_G5_19: U1.G13
/MCU_G5_20: U1.B15 U9.41
/MCU_G5_21: R76.1 U1.A14
/MCU_G5_22: C48.1 R50.1 U1.B12
/MCU_G5_23: C49.1 D52.2 R51.1 U1.A13
/MCU_G5_24: C46.1 R48.1 U1.B11
/MCU_G5_25: C47.1 R49.1 U1.A12
/MCU_G5_26: R24.1 U1.A6
/MCU_G6_0: U1.E4
/MCU_G6_1: U1.F6
/MCU_G6_2: U1.F5
/MCU_G6_10: G4.3 U1.L5
/MCU_G6_11: U1.L6
/MCU_G6_12: G3.4 U1.M1
/MCU_G6_13: G3.5 U1.N1
/MCU_G6_14: G5.8 U1.N2
/MCU_G6_15: G3.3 U1.P1
/MCU_G6_16: G5.9 U1.R1
/MCU_G6_17: G1.3 U1.P4
/MCU_G6_18: G5.7 U1.T2
/MCU_G6_19: G4.6 U1.P6
/MCU_G6_20: G4.7 U1.R6
/MCU_G6_21: G1.4 U1.T6
/MCU_G6_22: U1.P8
/MCU_G6_23: G9.7 U1.T11
/MCU_G6_24: U1.P11
/MCU_G6_25: U1.N9
/MCU_G6_26: U1.N11
/MCU_G6_27: G9.8 U1.T14
/MCU_G6_28: U1.R13
/MCU_G6_29: U1.T15
/MCU_G6_30: G9.6 U1.R14
/MCU_G7_0: U1.P14
/MCU_G7_1: U1.N14
/MCU_G7_2: U1.M14
/MCU_G7_3: U1.K12
/MCU_G7_4: U1.K13
/MCU_G7_5: R64.1 U1.N16
/MCU_G7_6: R66.1 U1.M16
/MCU_G7_7: U1.F15 U11.18
/MCU_G7_8: U1.F14 U11.42
/MCU_G7_9: U1.E16 U10.42
/MCU_G7_10: P46.7 U1.E14
/MCU_G7_11: U1.D16 U10.41
/MCU_G7_12: U1.D15 U10.18
/MCU_G7_13: G2.8 U1.G14
/MCU_G7_14: U1.C15 U9.42
/MCU_G7_15: G2.9 U1.E13
/MCU_G7_16: G1.6 U1.E11
/MCU_G7_17: G1.8 U1.D11 U9.14 U10.14 U11.14 U12.14
/MCU_G7_18: G1.7 U1.E10 U9.15 U10.15 U11.15 U12.15
/MCU_G7_19: G3.6 U1.E9
/MCU_G7_20: G3.8 U1.E7
/MCU_G7_21: G3.7 U1.B7
/MCU_G7_22: C45.1 R47.1 U1.E6
/MCU_G7_23: C44.1 R46.1 U1.D6
/MCU_G7_24: G5.4 U1.A3
/MCU_G7_25: G5.5 U1.A2
/MCU_PF_4: G3.9 U1.D10
/MCU_SCL0: G4.9 R10.2 U1.L15
/MCU_SDA0: G4.8 R9.2 U1.L16
/MCU_TCK: P12.4 U1.J5
/MCU_TDI: P12.8 U1.J4
/MCU_TDO: P12.6 U1.K5
/MCU_TMS: P12.2 U1.K6
/MCU_XTAL1: C29.2 U1.D1 X1.2
/MCU_XTAL2: C30.2 U1.E1 X1.1
/MCU_~{ISP}: P46.5 R16.2 U1.H14 W14.1
/MCU_~{RESET}: P46.3 R17.2 SW1.1 U1.D9 U13.24 W15.1
/MCU_~{TRST}: P12.10 U1.M4
/MOTOR0/BRA: R82.2 R84.1 U9.9
/MOTOR0/BRB: R83.2 R85.1 U9.25
/MOTOR0/SRA: R82.1 U9.12
/MOTOR0/SRB: R83.1 U9.22
/MOTOR0/TST_ANA_NC: U9.37
/MOTOR0/VHS: C63.2 U9.35
/MOTOR1/BRA: R86.2 R88.1 U10.9
/MOTOR1/BRB: R87.2 R89.1 U10.25
/MOTOR1/SRA: R86.1 U10.12
/MOTOR1/SRB: R87.1 U10.22
/MOTOR1/TST_ANA_NC: U10.37
/MOTOR1/VHS: C69.2 U10.35
/MOTOR2/BRA: R90.2 R92.1 U11.9
/MOTOR2/BRB: R91.2 R93.1 U11.25
/MOTOR2/SRA: R90.1 U11.12
/MOTOR2/SRB: R91.1 U11.22
/MOTOR2/TST_ANA_NC: U11.37
/MOTOR2/VHS: C75.2 U11.35
/MOTOR3/BRA: R94.2 R96.1 U12.9
/MOTOR3/BRB: R95.2 R97.1 U12.25
/MOTOR3/SRA: R94.1 U12.12
/MOTOR3/SRB: R95.1 U12.22
/MOTOR3/TST_ANA_NC: U12.37
/MOTOR3/VHS: C81.2 U12.35
/NC_CLKOUT0: U1.N5
/NC_CLKOUT1: U1.T10
/NC_CLKOUT2: U1.D14
/NC_CLKOUT3: U1.P12
/NC_P3_0: U1.F13
/NC_P4_7: U1.H4
/NC_P6_0: U1.M12
/NC_P8_8: U1.L1
/NC_PA_0: U1.L12
/NC_RTC_ALARM: U1.A11
/NC_RTCX1: U1.A8
/NC_RTCX2: U1.B8
/NC_SD_POW: U1.K2
/NC_USB0_ID: U1.H2
/NC_VPP: U1.E8
/NC_WAKEUP0: U1.A9
/NC_WAKEUP1: U1.A10
/NC_WAKEUP2: U1.C9
/NC_WAKEUP3: U1.D8
/NC_~{SAMPLE}: U1.B9
/PROBE_CONN: JP15.1 P31.4 R51.2 W32.1
/PROBE_R: JP15.2 R58.1
/RPI_RXD: P46.10 R102.2
/RPI_TXD: P46.8 R15.2
/SD_CD: P16.9 P23.3 R40.1 U1.N4
/SD_CLK: P16.5 P23.9 U1.D4
/SD_CMD: P16.3 P23.6 U1.M5
/SD_DAT0: P16.7 P23.4 U1.F4
/SD_DAT1: P16.8 P23.5 U1.G4
/SD_DAT3: P16.2 P23.8 U1.G5
/SPIFI_CS: U1.C10 U5.1
/SPIFI_SCK: U1.B14 U5.6
/SPIFI_SIO0: U1.C11 U5.5
/SPIFI_SIO1: U1.B13 U5.2
/SPIFI_SIO2: U1.C12 U5.3
/SPIFI_SIO3: U1.A15 U5.7
/SSR1_CONN: D28.1 P39.1 Q3.3 R71.2 R104.2 W34.1
/SSR1_G: Q3.1 Q10.3 R68.2
/SSR1_PG: Q10.1 R37.2 R64.2
/SSR2_CONN: D33.1 P43.1 Q7.3 R105.2 R106.2 W50.1
/SSR2_G: Q7.1 Q11.3 R79.2
/SSR2_PG: Q11.1 R72.2 R76.2
/TH1_CONN: JP2.2 P19.1 R34.2 W17.1
/TH1_PU: JP2.1 R25.2
/TH2_CONN: JP3.2 P20.1 R35.2 W18.1
/TH2_PU: JP3.1 R26.2
/TH3_CONN: JP4.2 P21.1 R36.2 W19.1
/TH3_PU: JP4.1 R27.2
/USB0_D+: P14.3 U1.F2 W5.1
/USB0_D-: P14.2 U1.G2 W6.1
/USB0_RREF: R12.2 U1.H1
/USB0_VBUS: R11.2 U1.F1
/USB1_D+: R13.1 U1.F12
/USB1_D-: R14.1 U1.G12
/USB1_D_CONN+: P15.3 R13.2 W7.1
/USB1_D_CONN-: P15.2 R14.2 W8.1
/VBB_DIV: C36.1 R30.2 R31.2 R38.1
/VBB_LED_R: D13.2 R18.2
/VBB_RP_GATE: D2.1 Q2.4 R2.1
/VFET_DIV: C37.1 R32.2 R33.2 R39.1
/VFET_LED_R: D14.2 R19.2
/VFET_RP_GATE: D1.1 Q1.4 R1.1
/VFETSW_GATE: D57.2 Q6.1 R73.1
/VFETSW_PG: Q12.1 R59.2 R111.2
/VFETSW_PS: Q12.3 R73.2 R112.2
/XMAX_CONN: JP12.1 P28.3 R48.2 W29.1
/XMAX_R: JP12.2 R55.1
/XMIN_CONN: JP9.1 P25.3 R45.2 W26.1
/XMIN_R: JP9.2 R52.1
/YMAX_CONN: JP13.1 P29.3 R49.2 W30.1
/YMAX_R: JP13.2 R56.1
/YMIN_CONN: JP10.1 P26.3 R46.2 W27.1
/YMIN_R: JP10.2 R53.1
/ZMAX_CONN: JP14.1 P30.3 R50.2 W31.1
/ZMAX_R: JP14.2 R57.1
/ZMIN_CONN: JP11.1 P27.3 R47.2 W28.1
/ZMIN_R: JP11.2 R54.1
AOV: D6.1 D8.1 D10.1 D20.1 D22.1 D50.1 JP7.2
ESOV: D52.1 D53.1
V_ES: JP8.2 P25.1 P26.1 P27.1 P28.1 P29.1 P30.1 P31.2 R52.2 R53.2 R54.2 R55.2 R56.2 R57.2 R58.2
VBB: C22.1 C28.1 C60.1 C61.1 C62.1 C63.1 C66.1 C67.1 C68.1 C69.1 C72.1 C73.1 C74.1 C75.1 C78.1 C79.1 C80.1 C81.1 D56.2 P2.1 P4.1 P9.1 P31.1 R2.2 R18.1 R30.1 U9.1 U9.4 U9.30 U9.33 U9.36 U10.1 U10.4 U10.30 U10.33 U10.36 U11.1 U11.4 U11.30 U11.33 U11.36 U12.1 U12.4 U12.30 U12.33 U12.36 W3.1
VFET: C25.1 C55.1 C56.1 D26.1 D27.1 D31.1 D32.1 P7.1 P40.1 P41.1 P42.1 P44.1 Q6.2 R19.1 R32.1 R61.1 R62.1 R75.1 R81.2 U8.1 W36.1 W38.1 W48.1 W52.1
VFET_IN: D57.1 P1.1 P3.1 Q6.3 R1.2 R112.1 W1.1
Net-(D54-Pad2): D54.2 R104.1
Net-(D55-Pad2): D55.2 R105.1
Net-(P46-Pad1): P46.1
Net-(R107-Pad2): R107.2 U13.12
Net-(R108-Pad2): R108.2 U13.13
Net-(R109-Pad2): R109.2 U13.15
Net-(U4-Pad8): U4.8
Net-(U6-Pad1): U6.1
Net-(U6-Pad7): U6.7
Net-(U6-Pad8): U6.8

Pads without a net: P18 7; SW1 0; U4 9; U9 20 34; U10 20 34; U11 20 34; U12 20 34

## Via types
v1: diameter 0.65, hole 0.25, Top to Bottom, 93 vias
v2: diameter 0.5, hole 0.25, Top to Bottom, 327 vias
v3: diameter 0.6, hole 0.25, Top to Bottom, 467 vias
v4: diameter 0.45, hole 0.25, Top to Bottom, 85 vias

## Routing (per net, layer and track width the routed paths; a pad name or vN(x,y) marks a point on that pad's centre or on a via; arc(x,y) is an arc through that point)
3.3V: length 140.5
  Top w0.2: v2(41.6,61.4) 41.6,61.4 42.1,60.9 ; v2(41.6,62.4) 41.6,62.4 42.1,61.9 ; v2(44.6,58.4) 44.6,58.4 45.1,58.9 ; v2(47.6,58.4) 47.6,58.4 47.1,58.9 ; v2(46.6,60.4) 46.6,60.4 47.1,59.9 ; v2(39.6,59.4) 39.6,59.4 40.1,58.9 ; v2(20.31,33.15) 20.36,33.2 R16.1 ; v2(17.56,33.15) 17.61,33.2 R17.1 ; U1.B10 v2(37.6,62.4) ; 42.1,58.9 v2(41.6,59.4) ; 49.1,58.9 v2(49.6,58.4) ; P16.4 9.14,93.74 8.73,94.15 8.05,94.15 7.7,94.5 7.7,97.9 10.1,100.3 11.7,100.3 v3(13,101.6) 12.79,101.81 C42.1 12.79,103.79 v3(12.8,103.8) ; v2(48.21,43.09) 47.6,43.7 R8.1 ; R20.1 8.01,21.73 v2(8.02,21.73) ; v3(25.15,84.88) 25.67,84.88 26.48,84.06 26.48,83.97 ; 44.1,61.9 v2(43.6,62.4) 43.11,61.91 U1.G10 ; U12.40 79.84,39.35 v3(79.38,38.88) 79.29,38.97 C76.1 ; JP7.1 v3(20.1,28.9) ; R28.1 72.2,49.45 71.95,49.7 v2(71.95,49.85) ; 47.1,60.9 v2(47.6,60.4) ; C70.1 74.86,56.75 v3(74.95,56.66) 75.42,57.13 U11.40 ; 41.1,63.9 41.1,63.91 v2(40.62,64.39) ; v2(31.32,52.37) 30.21,53.48 C83.1 ; C64.1 79.29,74.53 v3(79.38,74.44) 79.84,74.91 U10.40 ; L3.1 v2(43.1,42.9) ; 49.1,64.9 v2(49.6,65.4) ; C58.1 79.29,92.31 v3(79.38,92.22) 79.84,92.69 U9.40 ; R40.2 16.33,101.67 v3(16.27,101.62) ; 47.1,61.9 v2(46.6,62.4) ; 45.1,57.9 v2(44.6,57.4) ; 45.09,86.5 v3(45.09,86.5) ; 46.1,58.9 v2(46.6,58.4) ; 42.1,59.9 v2(41.6,60.4)
  Top w0.6: v3(45.09,86.5) 44.45,87.14 U3.2 U3.4 ; v3(20.6,104.2) 20.52,104.29 JP8.3 ; v3(36.4,88) 35.54,87.14 U3.4 ; v3(36.4,86.2) 35.46,87.14 U3.4 ; U3.4 34.8,89.4 34.29,89.91 C31.1 ; v3(12.8,103.8) 12.59,104.02 C41.1 ; 45.09,86.5 C32.1 ; C82.1 31.12,47.54 31.02,47.44 v2(30.32,47.44) ; C82.1 30.82,48.64 ; C82.1 31.12,47.39 v2(31.02,47.3) ; v2(28.1,44.76) 28.52,44.76 L11.1 ; v3(30.25,89.25) 30.91,89.91 C31.1 ; C31.1 31.12,89.71 v3(31.81,89.01)
  In4.Cu w0.2: v3(79.38,74.44) 74.97,74.44 v2(74.96,74.46) ; v2(74.94,92.21) 74.95,92.22 v3(79.38,92.22) ; 73.35,57.03 72.97,56.65 70.45,56.65 69.9,57.2 v2(69.4,57.2) ; 73.35,57.03 v2(73.55,57.03) ; 73.35,57.03 73.72,56.66 v3(74.95,56.66) ; v2(75.03,38.88) 75.03,38.88 v3(79.38,38.88)
  Bottom w0.2: v3(45.09,86.5) 45.08,86.5 45,86.5 ; v2(49.6,65.4) 49.6,64.95 C20.1 ; v2(49.6,58.4) 49.6,58.85 C15.1 ; v2(41.6,59.4) 41.6,58.95 C11.1 ; v2(41.6,60.4) 41.6,59.95 C13.1 ; v2(41.6,61.4) 41.6,60.95 C12.1 ; v2(41.6,62.4) 41.6,61.95 C7.1 ; v2(44.6,57.4) 44.6,57.85 C5.1 ; v2(44.6,58.4) 44.6,58.85 C3.1 ; v2(46.6,58.4) 46.15,58.4 C17.1 ; v2(47.6,58.4) 47.15,58.4 C1.1 ; v2(46.6,60.4) 46.15,60.4 C18.1 ; v2(47.6,60.4) 47.15,60.4 C19.1 ; v2(43.6,62.4) 44.05,62.4 C8.1 ; v2(46.6,62.4) C6.1 ; v2(39.6,59.4) 39.6,59.85 C4.1 ; v2(37.6,62.4) C2.1 ; v3(13,101.6) 13,97.15 11.88,96.03 P23.1 ; v2(54.13,81.05) 54.47,81.05 55.85,79.67 JP5.1 ; JP16.1 42.95,79.17 v2(42.86,79.08) ; C50.1 28.8,63.35 v2(30.41,64.96) 30.2,64.74 U5.8 ; v2(33.82,56.1) 33.8,56.07 L1.1 ; C9.1 40.55,64.5 40.62,64.43 v2(40.62,64.39) 40.14,64.39 40.1,64.35 ; v4(42.1,13.4) 42.37,13.67 JP1.3 ; U13.14 30.09,53.6 v2(31.32,52.37) ; JP6.1 52.38,47.67 v2(52.6,47.89) 52.82,47.67 JP17.1 55.05,47.67 55.09,47.63 v2(55.09,47.57)
3.3VA: length 53.5
  Top w0.2: v3(26.61,7.77) 25.97,8.4 R27.1 ; v3(20.25,7.77) 19.61,8.4 R26.1 ; v2(16.1,21.9) 16.1,21.76 15.44,21.1 P5.1 ; v3(13.59,7.77) 13.3,8.05 R25.1 ; v2(34.56,39.62) 35,40.06 35,44.13 35.25,44.38 35.25,47.6 35.82,48.18 35.84,48.22 35.84,49.14 36.14,49.44 36.14,51.63 35.57,52.2 35.57,54.14 36.82,55.39 v2(37.6,55.39) 38.1,55.89 38.1,55.9
  In3.Cu w0.2: v2(34.56,39.62) 34.2,39.62 34.04,39.78 33.11,39.78 32.45,39.12 32.45,38.76 16.1,22.41 v2(16.1,21.9)
  Bottom w0.2: L1.2 37.59,55.4 v2(37.6,55.39) C10.1
3.3VU0: length 14.5
  Top w0.2: L3.2 43.1,45.2 44.4,46.5 44.48,46.5 44.97,46.99 44.97,48.13 43.22,49.88 43.22,51.82 v2(43.1,51.94) ; 43.1,54.9 43.1,54.89 v2(42.61,54.4) 42.11,54.9 42.1,54.9
  In3.Cu w0.2: v2(42.61,54.4) 42.61,52.43 v2(43.1,51.94)
  Bottom w0.2: v2(42.61,54.4) 42.6,54.4 42.55,54.45 C16.1
5V: length 44.1
  Top w0.4: U4.3 30.89,81.12 30.93,81.08 v1(30.93,80.97) ; v1(31.44,80.87) 31.19,80.87 30.98,81.08 30.89,81.08 30.28,80.47 U4.2
  Top w0.6: 57.11,90.2 L5.2 ; L5.2 56.48,89.68 ; L5.2 56.59,88.89 54.9,87.2 v1(54.4,87.2) ; L5.2 54.32,89.68 v1(54.2,89.8) ; L5.2 56.59,90.81 55.1,92.3 v1(54.4,92.3) ; 50.4,84.83 C24.1 ; C24.1 49.96,85.24 v1(49.3,85.9) ; C24.1 49.93,85.24 v1(49.3,84.6) ; v1(20.6,101.9) 20.45,101.75 JP8.1 ; v1(43.2,89.2) 42.97,89.43 U3.3 40.03,89.43 v1(39.8,89.2) ; v1(51.9,85.7) 51.99,85.78 C27.1 ; v1(24.37,68.91) 24.37,68.34 24.53,68.18 ; 24.53,68.18 24.41,68.06 v1(24.41,67.03) ; 24.53,68.18 D5.1 ; R79.1 v2(64.1,35.4) 64.1,33.95 Q7.2 ; Q3.2 55.1,33.95 v2(55.1,35.4) R68.1
  Bottom w0.2: v2(6.85,96.9) 6.85,96.66 P23.2 ; v4(39.1,13.9) 39.83,14.63 JP1.1
  Bottom w0.6: v2(70.85,84.65) 71.61,84.65 D3.1 ; v2(70.85,83.15) 71.67,83.15 D3.1 ; v2(70.85,83.9) 72.36,83.9 D3.1 ; U2.6 64.28,90.31 v1(64.4,90.2) 64.7,90.5 R4.2 66.1,90.5 66.2,90.4 C21.1 v1(68.8,90.4)
5V_IN: length 3.7
  Bottom w0.6: D3.2 P8.1
5VU1: length 6
  Top w0.4: 24.8,80.2 25.07,80.47 U4.7 ; 24.8,80.8 25.12,81.12 U4.6
  Top w0.6: L8.1 23.6,79 24.8,80.2 24.8,80.8
12V: length 10.1
  Top w0.4: v2(71.7,31.6) 71.72,31.59 U6.6 71.72,28.79 73.1,27.4 U8.3 75.7,27.4 v2(76.2,27.9)
  Bottom w0.4: v2(71.7,31.6) 71.55,31.45 C51.1 ; v2(76.2,27.9) 76.15,27.95 C57.1
/3.3V_LED_R: length 2
  Top w0.2: D15.2 R20.2
/5VREG_BOOT: length 2.7
  Bottom w0.2: U2.1 57.24,87.39 C14.2
/5VREG_FB: length 5.1
  Bottom w0.6: R4.1 64.6,91.4 64.41,91.59 U2.5 63.32,91.88 R5.1
/5VREG_LX: length 13.4
  Top w0.6: v3(64.6,89.2) 66.12,89.2 L5.1
  Bottom w0.2: C14.1 58.84,85.24 62.65,89.05 U2.7
  Bottom w0.6: D4.1 65.98,89.2 v3(64.6,89.2) 64.44,89.05 U2.7
/5VREG_TSET: length 2.5
  Bottom w0.6: R3.1 56.1,90.5 56.29,90.31 U2.3
/5VREG_VIN: length 21.8
  Top w0.6: v1(74.9,85.7) v1(74.3,85.7) 73.9,85.7 73.4,86.2 v1(63.41,86.2)
  Bottom w0.6: D56.1 63.41,83.09 C26.1 v1(63.41,86.2) 63.41,87.39 U2.8
